# Altium PCB Archimajor.PcbDoc (part 11 of 12)
Units mm, origin at the board's own origin, x right, y up, seen from the top; angles counter-clockwise.
Board outline 190 x 140 mm, 6 copper layers (Top Layer, Top GND, Power Plane, Mid1, Bot GND, Bottom Layer), stack 1.776 mm thick; 842 components, 658 nets, 2620 pads, 2775 vias.
Unrouted connection lines stored in the file: 128.
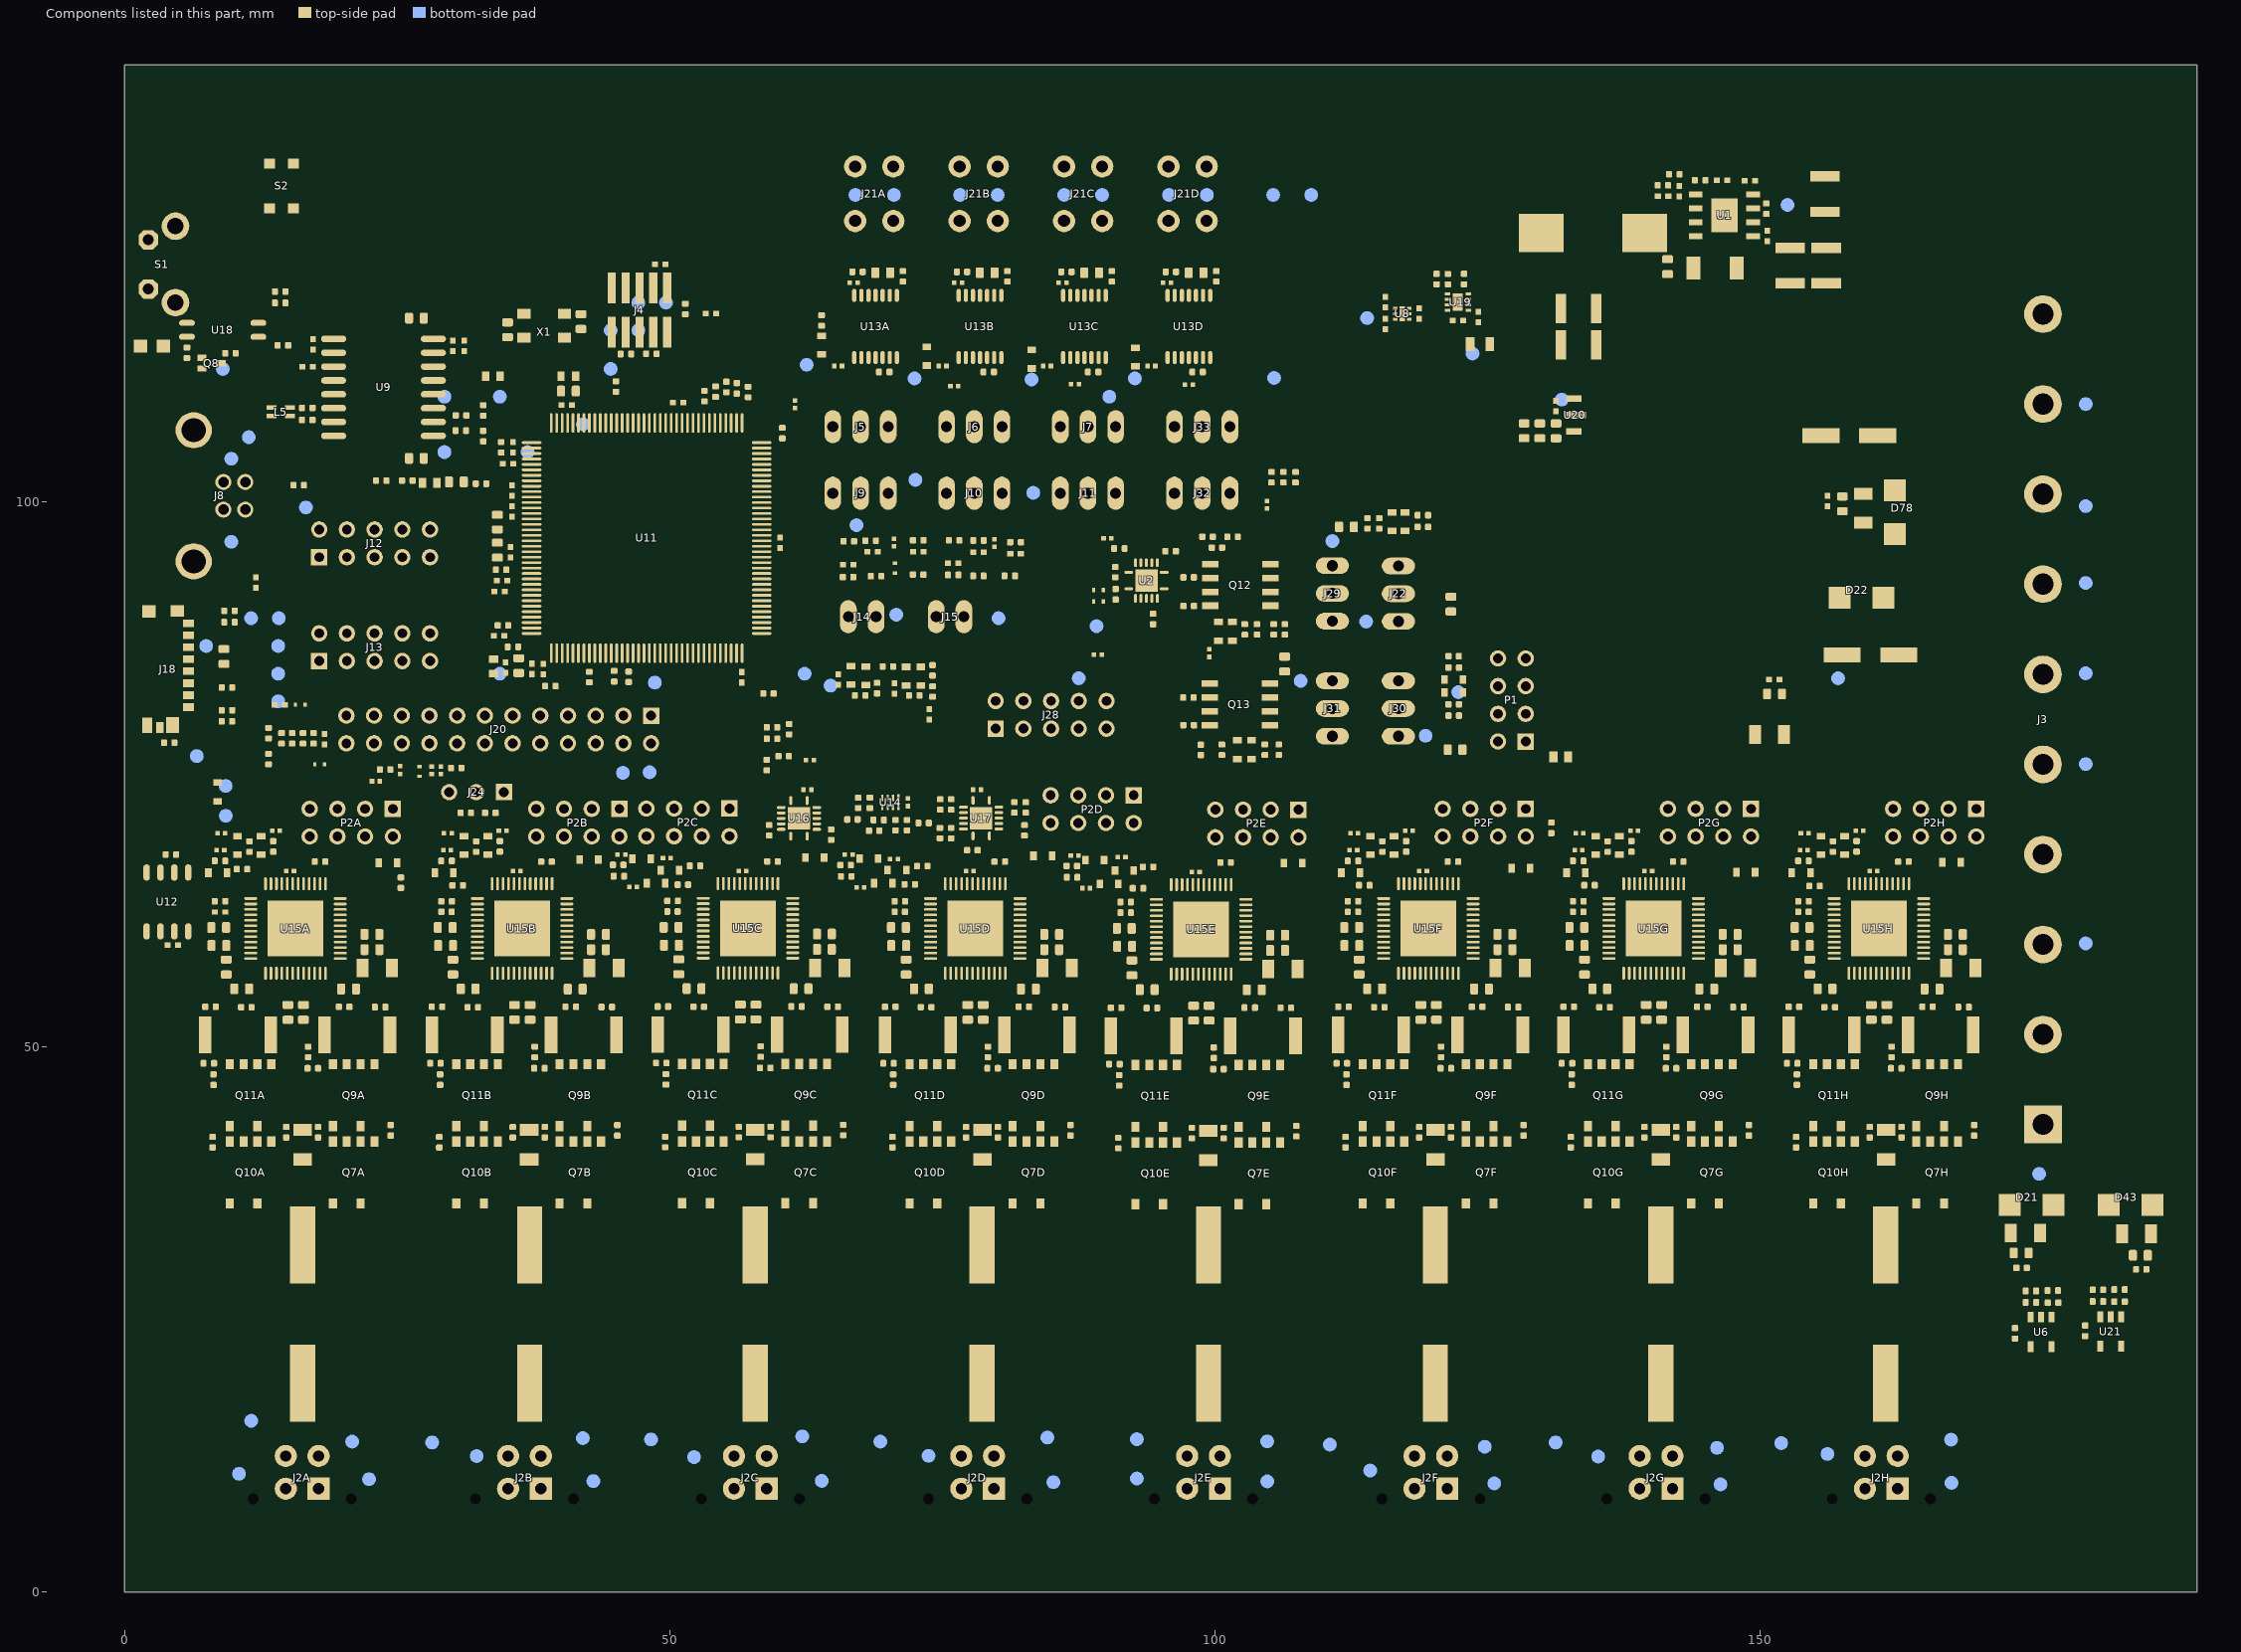
[diagram p15: the components of this part, seen from the top]

## Polygon pours and split planes (outlines as drawn) (continued)
OAAB on Top Layer "Direct Connect" (solid, remove dead copper, pour order 2450): 32.434,47.687 32.434,41.923 33.78,40.577 34.974,40.577 35.482,41.085 35.482,43.27 35.507,43.295 36.061,43.295 36.417,43.651 36.417,45.662 36.269,45.81 35.456,45.81 35.228,46.038 35.228,47.691
OABA on Top Layer "Direct Connect" (solid, remove dead copper, pour order 2449): 11.481,47.257 8.611,47.257 8.534,47.181 8.534,44.59 8.331,44.387 7.592,44.387 7.315,44.11 7.315,43.143 7.544,42.914 8.252,42.914 8.458,42.708 8.458,42.431 10.414,40.476 11.43,40.476 11.481,40.526
OABH on Top Layer "Direct Connect" (solid, remove dead copper, pour order 2448): 156.656,47.257 153.786,47.257 153.71,47.181 153.71,44.59 153.507,44.387 152.767,44.387 152.491,44.11 152.491,43.143 152.719,42.914 153.428,42.914 153.634,42.708 153.634,42.431 155.589,40.476 156.605,40.476 156.656,40.526
OABG on Top Layer "Direct Connect" (solid, remove dead copper, pour order 2447): 136.006,47.257 133.136,47.257 133.06,47.181 133.06,44.59 132.856,44.387 132.117,44.387 131.84,44.11 131.84,43.143 132.069,42.914 132.778,42.914 132.983,42.708 132.983,42.431 134.939,40.476 135.955,40.476 136.006,40.526
OABF on Top Layer "Direct Connect" (solid, remove dead copper, pour order 2446): 115.356,47.257 112.486,47.257 112.409,47.181 112.409,44.59 112.206,44.387 111.467,44.387 111.19,44.11 111.19,43.143 111.419,42.914 112.127,42.914 112.333,42.708 112.333,42.431 114.289,40.476 115.305,40.476 115.356,40.526
OABC on Top Layer "Direct Connect" (solid, remove dead copper, pour order 2445): 52.964,47.282 50.093,47.282 50.017,47.206 50.017,44.615 49.814,44.412 49.075,44.412 48.798,44.135 48.798,43.167 49.027,42.938 49.735,42.938 49.941,42.733 49.941,42.456 51.897,40.5 52.913,40.5 52.964,40.551
OABE on Top Layer "Direct Connect" (solid, remove dead copper, pour order 2444): 94.514,47.182 91.643,47.182 91.567,47.106 91.567,44.515 91.364,44.312 90.625,44.312 90.348,44.035 90.348,43.067 90.577,42.838 91.285,42.838 91.491,42.633 91.491,42.356 93.447,40.4 94.463,40.4 94.514,40.451
OABD on Top Layer "Direct Connect" (solid, remove dead copper, pour order 2443): 73.806,47.257 70.936,47.257 70.859,47.181 70.859,44.59 70.656,44.387 69.917,44.387 69.64,44.11 69.64,43.143 69.869,42.914 70.577,42.914 70.783,42.708 70.783,42.431 72.739,40.476 73.755,40.476 73.806,40.526
OABB on Top Layer "Direct Connect" (solid, remove dead copper, pour order 2442): 32.256,47.257 29.386,47.257 29.309,47.181 29.309,44.59 29.106,44.387 28.367,44.387 28.09,44.11 28.09,43.143 28.319,42.914 29.027,42.914 29.233,42.708 29.233,42.431 31.189,40.476 32.205,40.476 32.256,40.526
GND on Top Layer "Direct Connect" (solid, remove dead copper, pour order 2433): 17 vertices, not listed, extent 14.554,44.616 18.034,46.876
GND on Top Layer "Direct Connect" (solid, remove dead copper, pour order 2432): 17 vertices, not listed, extent 159.73,44.616 163.209,46.876
GND on Top Layer "Direct Connect" (solid, remove dead copper, pour order 2431): 17 vertices, not listed, extent 139.079,44.616 142.559,46.876
GND on Top Layer "Direct Connect" (solid, remove dead copper, pour order 2430): 17 vertices, not listed, extent 118.429,44.616 121.909,46.876
GND on Top Layer "Direct Connect" (solid, remove dead copper, pour order 2429): 17 vertices, not listed, extent 56.037,44.64 59.517,46.901
GND on Top Layer "Direct Connect" (solid, remove dead copper, pour order 2428): 17 vertices, not listed, extent 97.587,44.54 101.067,46.801
GND on Top Layer "Direct Connect" (solid, remove dead copper, pour order 2427): 17 vertices, not listed, extent 76.879,44.616 80.359,46.876
GND on Top Layer "Direct Connect" (solid, remove dead copper, pour order 2426): 17 vertices, not listed, extent 35.329,44.616 38.809,46.876
GND on Top Layer "Direct Connect" (solid, remove dead copper, pour order 2425): 24.869,46.318 24.869,47.918 24.615,48.172 24.234,48.172 24.057,47.994 24.057,46.394 24.133,46.318
GND on Top Layer "Direct Connect" (solid, remove dead copper, pour order 2424): 170.045,46.318 170.045,47.918 169.791,48.172 169.41,48.172 169.232,47.994 169.232,46.394 169.308,46.318
GND on Top Layer "Direct Connect" (solid, remove dead copper, pour order 2423): 149.395,46.318 149.395,47.918 149.141,48.172 148.76,48.172 148.582,47.994 148.582,46.394 148.658,46.318
GND on Top Layer "Direct Connect" (solid, remove dead copper, pour order 2422): 128.744,46.318 128.744,47.918 128.49,48.172 128.109,48.172 127.932,47.994 127.932,46.394 128.008,46.318
GND on Top Layer "Direct Connect" (solid, remove dead copper, pour order 2421): 107.902,46.242 107.902,47.842 107.648,48.096 107.267,48.096 107.089,47.918 107.089,46.318 107.166,46.242
GND on Top Layer "Endstops and Therm Top" (solid, remove dead copper, pour order 2355): 94.332,108.857 103.066,108.857 103.716,108.207 103.716,96.339 102.983,95.606 97.891,95.606 95.91,97.587 94.332,97.587 94.332,90.648 94.332,85.705 90.088,81.461 66.61,81.461 63.87,84.201 63.87,108.914
GND on Top Layer "DirectConnect" (solid, pour order 2343): 131.804,98.641 127.74,98.641 127.74,100.825 131.829,100.825 131.829,98.59
GND on Top Layer "DirectConnect" (solid, pour order 2342): 142.599,98.488 142.599,100.698 138.433,100.698 138.433,98.488 142.599,98.488
GND on Top Layer "DirectConnect" (solid, pour order 2341): 153.8,98.489 149.609,98.489 149.609,100.724 153.825,100.724 153.825,98.489
GND on Top Layer "DirectConnect" (solid, pour order 2337): 161.823,125.017 159.512,125.017 159.512,119.125 161.823,119.125
HTBD-OUT on Top Layer "DirectConnect" (solid, pour order 2331): 162.585,112.598 171.193,112.598 171.193,115.373 173.468,115.373 173.468,125.704 162.585,125.704 162.585,124.637
no net on Top Layer "DirectConnect" (solid, pour order 2330): 154.587,98.209 148.009,98.209 144.808,98.209 144.808,92.037 147.168,92.037 147.168,87.684 154.587,87.684
no net on Top Layer "DirectConnect" (solid, pour order 2329): 131.854,98.311 122.837,98.311 122.837,92.088 125.843,92.088 125.843,88.309 133.074,88.309 133.074,95.847 131.854,95.847
USB_GND on Top Layer "USB Shield" (solid, pour order 2328): 11.836,94.146 20.93,103.239 26.289,103.239 26.619,103.569 26.619,103.722 26.619,117.107 26.314,117.412 16.531,117.412 9.8,110.681 2.108,110.681 2.108,105.5 2.108,94.146
VMOTE on Top Layer "Direct Connect" (solid, remove dead copper, pour order 2708): 153.227,40.831 152.922,40.526 152.922,35.013 155.64,32.295 159.683,28.252 163.204,28.252 169.686,34.734 169.686,40.552 169.356,40.882
VMOTE on Top Layer "Direct Connect" (solid, remove dead copper, pour order 2706): 132.577,40.831 132.272,40.526 132.272,35.013 134.99,32.295 139.033,28.252 142.554,28.252 149.036,34.734 149.036,40.552 148.706,40.882
VMOTE on Top Layer "Direct Connect" (solid, remove dead copper, pour order 2704): 111.927,40.831 111.622,40.526 111.622,35.013 114.34,32.295 118.383,28.252 121.904,28.252 128.386,34.734 128.386,40.552 128.056,40.882
VMOTE on Top Layer "Direct Connect" (solid, remove dead copper, pour order 2702): 91.085,40.756 90.78,40.451 90.78,34.937 93.498,32.22 97.541,28.176 101.062,28.176 107.544,34.658 107.544,40.476 107.214,40.806
VMOTA on Top Layer "Direct Connect" (solid, remove dead copper, pour order 2700): 70.377,40.878 70.072,40.573 70.072,35.06 72.79,32.342 76.833,28.299 80.354,28.299 86.836,34.781 86.836,40.599 86.506,40.929
VMOTA on Top Layer "Direct Connect" (solid, remove dead copper, pour order 2696): 49.535,40.856 49.23,40.551 49.23,35.037 51.948,32.32 55.991,28.276 59.512,28.276 65.994,34.758 65.994,40.576 65.664,40.906
VMOTA on Top Layer "Direct Connect" (solid, remove dead copper, pour order 2694): 28.827,40.878 28.522,40.573 28.522,35.06 31.24,32.342 35.283,28.299 38.804,28.299 45.286,34.781 45.286,40.599 44.956,40.929
GND on Top Layer "Direct Connect" (solid, remove dead copper, pour order 2487): 17 vertices, not listed, extent 64.94,112.784 71.348,120.479
GND on Top Layer "Direct Connect" (solid, remove dead copper, pour order 2485): 17 vertices, not listed, extent 93.691,112.697 100.099,120.391
GND on Top Layer "Direct Connect" (solid, remove dead copper, pour order 2484): 17 vertices, not listed, extent 84.142,112.736 90.55,120.43
GND on Top Layer "Direct Connect" (solid, remove dead copper, pour order 2483): 17 vertices, not listed, extent 74.516,112.81 80.924,120.504
VMOTA on Top Layer "Direct Connect" (solid, remove dead copper, pour order 2481): 8.052,40.831 7.747,40.526 7.747,35.013 10.465,32.295 14.508,28.252 18.029,28.252 24.511,34.734 24.511,40.552 24.181,40.882
NetQ9A_1 on Top Layer "Direct Connect" (solid, remove dead copper, pour order 2420): 22.733,50.915 22.733,50.483 23.47,49.747 23.47,47.842 17.932,47.842 17.704,48.07 17.704,52.82 20.828,52.82
NetQ9H_1 on Top Layer "Direct Connect" (solid, remove dead copper, pour order 2419): 167.908,50.915 167.908,50.483 168.645,49.747 168.645,47.842 163.108,47.842 162.879,48.07 162.879,52.82 166.003,52.82
NetQ9G_1 on Top Layer "Direct Connect" (solid, remove dead copper, pour order 2418): 147.258,50.915 147.258,50.483 147.995,49.747 147.995,47.842 142.458,47.842 142.229,48.07 142.229,52.82 145.353,52.82
NetQ9F_1 on Top Layer "Direct Connect" (solid, remove dead copper, pour order 2417): 126.608,50.915 126.608,50.483 127.345,49.747 127.345,47.842 121.807,47.842 121.579,48.07 121.579,52.82 124.703,52.82
NetQ9E_1 on Top Layer "Direct Connect" (solid, remove dead copper, pour order 2416): 105.766,50.839 105.766,50.408 106.502,49.671 106.502,47.766 100.965,47.766 100.737,47.995 100.737,52.744 103.861,52.744
NetQ9C_1 on Top Layer "Direct Connect" (solid, remove dead copper, pour order 2415): 64.216,50.939 64.216,50.508 64.952,49.771 64.952,47.866 59.415,47.866 59.187,48.095 59.187,52.844 62.311,52.844
NetQ9D_1 on Top Layer "Direct Connect" (solid, remove dead copper, pour order 2414): 85.058,50.915 85.058,50.483 85.795,49.747 85.795,47.842 80.257,47.842 80.029,48.07 80.029,52.82 83.153,52.82
NetQ9B_1 on Top Layer "Direct Connect" (solid, remove dead copper, pour order 2413): 43.508,50.915 43.508,50.483 44.245,49.747 44.245,47.842 38.707,47.842 38.479,48.07 38.479,52.82 41.603,52.82
NetQ11A_1 on Top Layer "Direct Connect" (solid, remove dead copper, pour order 2412): 10.287,47.842 13.818,47.842 14.046,48.07 14.046,52.82 10.922,52.82 10.287,52.185
NetQ11H_1 on Top Layer "Direct Connect" (solid, remove dead copper, pour order 2411): 155.462,47.842 158.993,47.842 159.222,48.07 159.222,52.82 156.097,52.82 155.462,52.185
NetQ11G_1 on Top Layer "Direct Connect" (solid, remove dead copper, pour order 2410): 134.812,47.842 138.343,47.842 138.571,48.07 138.571,52.82 135.447,52.82 134.812,52.185
NetQ11F_1 on Top Layer "Direct Connect" (solid, remove dead copper, pour order 2409): 114.162,47.842 117.693,47.842 117.921,48.07 117.921,52.82 114.797,52.82 114.162,52.185
NetQ11C_1 on Top Layer "Direct Connect" (solid, remove dead copper, pour order 2408): 51.77,47.866 55.3,47.866 55.529,48.095 55.529,52.844 52.405,52.844 51.77,52.209
NetQ11E_1 on Top Layer "Direct Connect" (solid, remove dead copper, pour order 2407): 93.32,47.766 96.85,47.766 97.079,47.995 97.079,52.744 93.955,52.744 93.32,52.109
NetQ11D_1 on Top Layer "Direct Connect" (solid, remove dead copper, pour order 2406): 72.612,47.842 76.143,47.842 76.371,48.07 76.371,52.82 73.247,52.82 72.612,52.185
NetQ11B_1 on Top Layer "Direct Connect" (solid, remove dead copper, pour order 2405): 31.062,47.842 34.593,47.842 34.821,48.07 34.821,52.82 31.697,52.82 31.062,52.185
GND on Top Layer "uC Top Under Part" (solid, pour order 2354): 38.741,87.491 57.024,87.497 57.024,105.778 38.741,105.781
GND on Top Layer "12MHz XTAL GND" (solid, pour order 2349): 33.573,118.806 33.573,113.439 36.021,113.439 43.342,113.439 43.342,115.864 43.342,118.784 33.573,118.784
GND on Top Layer "FlashGND" (solid, remove dead copper, pour order 2327): 0.806,65.471 6.281,65.471 6.281,58.546 0.806,58.546
GND on Top Layer "DirectConnect" (solid, remove dead copper, pour order 2690): 61.695,116.389 61.695,135.019 20.961,135.019 20.961,123.62 54.404,123.62 54.404,120.53 58.544,116.389
GND on Top Layer "DirectConnect" (solid, remove dead copper, pour order 2670): 153.484,104.66 153.9,104.244 157.149,104.244 157.604,104.7 157.604,107.434 157.228,107.81 153.9,107.81 153.484,107.394
VMOTE on Top Layer "DirectConnect" (solid, remove dead copper, pour order 2668): 171.334,43.62 174.128,46.413 180.289,46.413 180.784,45.918 180.784,41.381 177.258,37.854 175.138,37.854 173.692,36.408 172.028,36.408 171.334,37.101
VMOTA on Top Layer "DirectConnect" (solid, remove dead copper, pour order 2666): 17 vertices, not listed, extent 171.671,29.177 187.461,64.244
GND on Top Layer "DirectConnect" (solid, remove dead copper, pour order 2664): 155.623,99.549 155.881,99.806 164.44,99.806 166.896,102.263 170.779,102.263 172.582,104.066 172.82,103.828 172.82,98.677 173.414,98.083 173.414,97.845 172.701,97.132 164.241,97.132 162.815,95.705 159.031,95.705 155.623,99.113
VPWR_IN on Top Layer "DirectConnect" (solid, remove dead copper, pour order 2658): 127.638,105.245 128.171,104.711 131.448,104.711 131.931,105.194 131.931,106.185 131.753,106.362 127.74,106.362 127.638,106.261
GND on Top Layer "DirectConnect" (solid, remove dead copper, pour order 2654): 172.463,98.096 172.86,97.7 179.457,97.7 180.091,98.334 180.091,103.782 179.398,104.476 172.84,104.476 172.463,104.099
GND on Top Layer "DirectConnect" (solid, remove dead copper, pour order 2650): 172.463,48.546 172.86,48.15 179.457,48.15 180.091,48.784 180.091,54.232 179.398,54.926 172.84,54.926 172.463,54.549
GND on Top Layer "DirectConnect" (solid, remove dead copper, pour order 2648): 172.463,65.056 172.86,64.66 179.457,64.66 180.091,65.294 180.091,70.742 179.398,71.436 172.84,71.436 172.463,71.059
GND on Top Layer "DirectConnect" (solid, remove dead copper, pour order 2632): 18 vertices, not listed, extent 160.125,80.193 181.3,90.775
GND on Top Layer "DirectConnect" (solid, remove dead copper, pour order 2628): 96.719,93.503 98.701,93.503 99.235,94.038 99.235,94.335 98.601,94.969 97.512,94.969 96.719,94.176
GND on Top Layer "DirectConnect" (solid, remove dead copper, pour order 2626): 96.719,90.963 98.701,90.963 99.235,91.498 99.235,91.795 98.601,92.429 97.512,92.429 96.719,91.636
GND on Top Layer "DirectConnect" (solid, remove dead copper, pour order 2624): 96.657,82.552 98.638,82.552 99.173,83.086 99.173,83.384 98.539,84.018 97.449,84.018 96.657,83.225
GND on Top Layer "DirectConnect" (solid, remove dead copper, pour order 2622): 96.657,81.488 98.638,81.488 99.173,80.954 99.173,80.656 98.539,80.022 97.449,80.022 96.657,80.815
GND on Top Layer "Direct Connect" (solid, remove dead copper, pour order 2364): 1.803,92.749 5.08,92.749 6.604,91.225 6.604,90.285 5.65,89.331 1.803,89.331
VMOTA on Top Layer "DirectConnect" (solid, remove dead copper, pour order 2618): 183.136,37.466 184.721,35.881 184.721,29.462 184.543,29.284 183.314,29.284 180.184,32.414 180.184,37.466
VMOTE on Top Layer "DirectConnect" (solid, remove dead copper, pour order 2620): 173.27,37.744 173.904,37.11 173.904,29.403 172.616,29.403 171.328,30.691 171.328,37.744
GND on Top Layer "DirectConnect" (solid, remove dead copper, pour order 2614): 187.911,37.565 187.911,30.334 186.801,29.224 185.216,29.224 184.939,29.502 184.939,36.218 186.286,37.565
GND on Top Layer "DirectConnect" (solid, remove dead copper, pour order 2616): 177.965,37.347 177.965,31.84 175.449,29.323 174.339,29.323 174.201,29.462 174.201,35.921 175.627,37.347
VPWR_IN on Top Layer "Solid" (solid, pour order 2360): 151.354,122.822 151.354,124.573 150.129,124.573 150.129,125.323 148.704,125.323 148.704,125.873 157.379,125.873 157.379,122.822
GND on Top Layer "DirectConnect" (solid, remove dead copper, pour order 2612): 127.994,106.667 131.524,106.667 131.778,106.921 131.778,108.369 131.626,108.521 128.552,108.521 127.994,107.963
GND on Top Layer "Solid" (solid, pour order 2359): 134.509,120.173 145.054,120.173 145.054,127.798 148.329,127.798 148.329,122.923 157.379,122.923 157.379,119.653 154.69,117.278 136.679,117.278 136.679,112.998 134.48,112.998
VFAN on Top Layer "24milConnect" (solid, remove dead copper, pour order 2607): 131.093,77.009 130.743,77.009 130.193,77.559 130.193,81.259 129.518,81.934 127.368,81.934 126.968,81.534 126.968,77.584 126.343,76.959 126.343,76.259 126.493,76.109 130.793,76.109 131.093,76.409
VPWR_IN on Top Layer "Direct Connect" (solid, remove dead copper, pour order 2606): 137.718,75.409 138.093,75.784 138.093,77.834 137.493,78.434 130.943,78.434 130.668,78.159 130.668,77.534 130.843,77.359 131.543,77.359 131.743,77.159 131.743,75.609 131.943,75.409
NetC3_2 on Top Layer "DirectConnect" (solid, remove dead copper, pour order 2598): 125.352,113.932 126.249,113.034 131.593,113.034 131.593,115.409 131.268,115.734 130.768,115.734 130.443,115.409 125.839,115.409 125.352,114.922
no net on Top Layer "Direct Connect" (solid, remove dead copper, pour order 2595): 100.656,92.211 100.656,89.786 109.219,89.786 109.481,90.047 109.481,90.572 107.842,92.211
no net on Top Layer "Direct Connect" (solid, remove dead copper, pour order 2596): 100.681,94.873 108.692,94.873 109.393,94.172 109.393,93.759 108.082,92.448 100.681,92.448
GND on Top Layer "Direct Connect" (solid, remove dead copper, pour order 2594): 86.722,53.353 86.722,54.205 86.811,54.293 87.344,54.293 87.395,54.242 87.395,53.353 87.395,48.858 87.192,48.654 86.658,48.654 86.01,49.302 86.027,50.022 85.541,50.509 85.541,52.479
GND on Top Layer "Direct Connect" (solid, remove dead copper, pour order 2593): 65.88,53.378 65.88,54.229 65.968,54.318 66.502,54.318 66.553,54.267 66.553,53.378 66.553,48.882 66.349,48.679 65.816,48.679 65.168,49.326 65.185,50.046 64.698,50.533 64.698,52.503
GND on Top Layer "Direct Connect" (solid, remove dead copper, pour order 2592): 45.172,53.353 45.172,54.205 45.261,54.293 45.794,54.293 45.845,54.242 45.845,53.353 45.845,48.858 45.642,48.654 45.108,48.654 44.46,49.302 44.477,50.022 43.991,50.509 43.991,52.479
GND on Top Layer "Direct Connect" (solid, remove dead copper, pour order 2591): 45.172,53.353 45.172,54.205 45.261,54.293 45.794,54.293 45.845,54.242 45.845,53.353 45.845,48.858 45.642,48.654 45.108,48.654 44.46,49.302 44.477,50.022 43.991,50.509 43.991,52.479
GND on Top Layer "Direct Connect" (solid, remove dead copper, pour order 2588): 65.88,53.378 65.88,54.229 65.968,54.318 66.502,54.318 66.553,54.267 66.553,53.378 66.553,48.882 66.349,48.679 65.816,48.679 65.168,49.326 65.185,50.046 64.698,50.533 64.698,52.503
GND on Top Layer "Direct Connect" (solid, remove dead copper, pour order 2437): 56.926,43.37 56.926,41.364 57.155,41.134 58.424,41.134 58.729,41.44 58.729,43.37 57.942,44.158 57.713,44.158
GND on Top Layer "Direct Connect" (solid, remove dead copper, pour order 2434): 36.218,43.346 36.218,41.339 36.447,41.11 37.716,41.11 38.022,41.415 38.022,43.346 37.234,44.133 37.006,44.133
no net on Top Layer "Direct Connect" (solid, remove dead copper, pour order 2590): 100.618,83.922 100.618,81.497 107.905,81.497 109.468,83.059 109.468,83.922
no net on Top Layer "Direct Connect" (solid, remove dead copper, pour order 2589): 100.593,81.259 100.593,78.834 108.718,78.834 109.418,79.534 109.418,80.084 108.243,81.259
GND on Top Layer "Direct Connect" (solid, remove dead copper, pour order 2587): 86.722,53.353 86.722,54.205 86.811,54.293 87.344,54.293 87.395,54.242 87.395,53.353 87.395,48.858 87.192,48.654 86.658,48.654 86.01,49.302 86.027,50.022 85.541,50.509 85.541,52.479
GND on Top Layer "Direct Connect" (solid, remove dead copper, pour order 2404): 6.858,53.709 6.858,53.15 8.915,52.21 8.915,49.721 8.585,49.391 6.198,49.391 5.944,49.645 5.944,53.379 6.274,53.709
GND on Top Layer "Direct Connect" (solid, remove dead copper, pour order 2403): 152.033,53.709 152.033,53.15 154.091,52.21 154.091,49.721 153.761,49.391 151.373,49.391 151.119,49.645 151.119,53.379 151.449,53.709
GND on Top Layer "Direct Connect" (solid, remove dead copper, pour order 2402): 131.383,53.709 131.383,53.15 133.441,52.21 133.441,49.721 133.11,49.391 130.723,49.391 130.469,49.645 130.469,53.379 130.799,53.709
GND on Top Layer "Direct Connect" (solid, remove dead copper, pour order 2401): 110.733,53.709 110.733,53.15 112.79,52.21 112.79,49.721 112.46,49.391 110.073,49.391 109.819,49.645 109.819,53.379 110.149,53.709
GND on Top Layer "Direct Connect" (solid, remove dead copper, pour order 2400): 48.341,53.733 48.341,53.175 50.398,52.235 50.398,49.746 50.068,49.415 47.68,49.415 47.426,49.669 47.426,53.403 47.757,53.733
GND on Top Layer "Direct Connect" (solid, remove dead copper, pour order 2399): 69.183,53.709 69.183,53.15 71.24,52.21 71.24,49.721 70.91,49.391 68.523,49.391 68.269,49.645 68.269,53.379 68.599,53.709
GND on Top Layer "Direct Connect" (solid, remove dead copper, pour order 2398): 89.891,53.633 89.891,53.075 91.948,52.135 91.948,49.646 91.618,49.315 89.23,49.315 88.976,49.569 88.976,53.303 89.307,53.633
GND on Top Layer "Direct Connect" (solid, remove dead copper, pour order 2397): 27.633,53.709 27.633,53.15 29.69,52.21 29.69,49.721 29.36,49.391 26.973,49.391 26.719,49.645 26.719,53.379 27.049,53.709
GND on Top Layer "Direct Connect" (solid, remove dead copper, pour order 2396): 24.397,53.353 24.397,54.205 24.486,54.293 25.019,54.293 25.07,54.242 25.07,53.353 25.07,48.858 24.867,48.654 24.333,48.654 23.685,49.302 23.702,50.022 23.216,50.509 23.216,52.479
GND on Top Layer "Direct Connect" (solid, remove dead copper, pour order 2395): 169.572,53.353 169.572,54.205 169.661,54.293 170.194,54.293 170.245,54.242 170.245,53.353 170.245,48.858 170.042,48.654 169.509,48.654 168.861,49.302 168.878,50.022 168.391,50.509 168.391,52.479
GND on Top Layer "Direct Connect" (solid, remove dead copper, pour order 2394): 148.922,53.353 148.922,54.205 149.011,54.293 149.544,54.293 149.595,54.242 149.595,53.353 149.595,48.858 149.392,48.654 148.858,48.654 148.211,49.302 148.227,50.022 147.741,50.509 147.741,52.479
GND on Top Layer "Direct Connect" (solid, remove dead copper, pour order 2393): 128.272,53.353 128.272,54.205 128.361,54.293 128.894,54.293 128.945,54.242 128.945,53.353 128.945,48.858 128.742,48.654 128.208,48.654 127.56,49.302 127.577,50.022 127.091,50.509 127.091,52.479
GND on Top Layer "Direct Connect" (solid, remove dead copper, pour order 2392): 107.43,53.278 107.43,54.129 107.518,54.218 108.052,54.218 108.103,54.167 108.103,53.278 108.103,48.782 107.899,48.579 107.366,48.579 106.718,49.226 106.735,49.946 106.248,50.433 106.248,52.404
VMOTA on Top Layer "Direct Connect" (solid, remove dead copper, pour order 2386): 49.712,57.721 51.033,57.721 51.287,57.975 51.287,58.712 52.03,59.455 52.03,59.677 50.652,59.677 50.271,59.296 50.271,58.991 49.712,58.432
VMOTE on Top Layer "Direct Connect" (solid, remove dead copper, pour order 2385): 91.262,57.621 92.583,57.621 92.837,57.875 92.837,58.612 93.58,59.355 93.58,59.577 92.202,59.577 91.821,59.196 91.821,58.891 91.262,58.332
GND on Top Layer "Direct Connect" (solid, remove dead copper, pour order 2436): 98.476,43.27 98.476,41.264 98.705,41.034 99.974,41.034 100.279,41.34 100.279,43.27 99.492,44.058 99.263,44.058
GND on Top Layer "Direct Connect" (solid, remove dead copper, pour order 2441): 15.443,43.346 15.443,41.339 15.672,41.11 16.941,41.11 17.247,41.415 17.247,43.346 16.459,44.133 16.231,44.133
VMOTA on Top Layer "Direct Connect" (solid, remove dead copper, pour order 2390): 8.23,57.697 9.55,57.697 9.804,57.951 9.804,58.687 10.547,59.43 10.547,59.653 9.169,59.653 8.788,59.272 8.788,58.967 8.23,58.408
VMOTE on Top Layer "Direct Connect" (solid, remove dead copper, pour order 2389): 153.405,57.697 154.726,57.697 154.98,57.951 154.98,58.687 155.723,59.43 155.723,59.653 154.345,59.653 153.964,59.272 153.964,58.967 153.405,58.408
GND on Top Layer "Direct Connect" (solid, remove dead copper, pour order 2440): 160.619,43.346 160.619,41.339 160.848,41.11 162.117,41.11 162.422,41.415 162.422,43.346 161.635,44.133 161.406,44.133
VMOTE on Top Layer "Direct Connect" (solid, remove dead copper, pour order 2388): 132.755,57.697 134.076,57.697 134.33,57.951 134.33,58.687 135.073,59.43 135.073,59.653 133.695,59.653 133.314,59.272 133.314,58.967 132.755,58.408
GND on Top Layer "Direct Connect" (solid, remove dead copper, pour order 2439): 139.968,43.346 139.968,41.339 140.198,41.11 141.466,41.11 141.772,41.415 141.772,43.346 140.984,44.133 140.756,44.133
VMOTE on Top Layer "Direct Connect" (solid, remove dead copper, pour order 2387): 112.105,57.697 113.425,57.697 113.679,57.951 113.679,58.687 114.422,59.43 114.422,59.653 113.044,59.653 112.663,59.272 112.663,58.967 112.105,58.408
GND on Top Layer "Direct Connect" (solid, remove dead copper, pour order 2438): 119.318,43.346 119.318,41.339 119.547,41.11 120.816,41.11 121.122,41.415 121.122,43.346 120.334,44.133 120.106,44.133
GND on Top Layer "Direct Connect" (solid, remove dead copper, pour order 2435): 77.768,43.346 77.768,41.339 77.997,41.11 79.266,41.11 79.572,41.415 79.572,43.346 78.784,44.133 78.556,44.133
VMOTA on Top Layer "Direct Connect" (solid, remove dead copper, pour order 2384): 70.555,57.697 71.875,57.697 72.129,57.951 72.129,58.687 72.872,59.43 72.872,59.653 71.494,59.653 71.113,59.272 71.113,58.967 70.555,58.408
VMOTA on Top Layer "Direct Connect" (solid, remove dead copper, pour order 2383): 29.005,57.697 30.325,57.697 30.579,57.951 30.579,58.687 31.322,59.43 31.322,59.653 29.944,59.653 29.563,59.272 29.563,58.967 29.005,58.408
NetC3_2 on Top Layer "Solid" (solid, pour order 2358): 132.729,112.998 132.729,126.373 127.829,126.373 127.829,122.873 128.579,122.123 128.579,119.76 130.679,117.66 130.679,112.998
NetC1_2 on Top Layer "Solid" (solid, pour order 2357): 141.631,122.285 141.379,122.285 141.186,122.478 141.186,126.372 141.405,126.372 143.179,124.598 144.679,124.598 144.679,120.523 144.479,120.323 143.035,120.323
GND on Top Layer "Direct Connect" (solid, remove dead copper, pour order 2365): 3.925,80.938 3.925,79.121 4.521,78.525 6.452,78.525 6.604,78.677 6.604,78.931 4.597,80.938
GND on Top Layer "Direct Connect" (solid, remove dead copper, pour order 2366): 1.981,76.62 2.286,76.315 2.667,76.315 2.946,76.594 2.946,79.806 1.981,79.806
no net on Top Overlay "Logo" (solid): 17 vertices, not listed, extent 20.374,131.781 22.942,134.356
VBED_IN on Bottom Layer "DirectConnect" (solid, remove dead copper, pour order 2662): 19 vertices, not listed, extent 155.584,100.123 180.289,112.724
no net on Bottom Layer "NetF1_1 Fuse Top Pour" (solid, remove dead copper, pour order 2644): 162.855,93.645 162.855,90.257 163.984,89.128 180.309,89.128 181.577,90.396 181.577,95.725 180.765,96.537 164.241,96.537 162.874,95.17
VPWR_IN on Bottom Layer "DirectConnect" (solid, remove dead copper, pour order 2638): 159.249,74.289 163.627,78.667 163.627,83.58 161.527,83.58 160.002,85.106 160.002,87.008 159.189,87.82 155.92,87.82 154.811,86.711 154.811,84.987 154.613,84.789 152.235,84.789 151.621,84.175 151.621,76.389 153.721,74.289
no net on Bottom Layer "DirectConnect" (solid, remove dead copper, pour order 2636): 166.797,80.747 168.243,82.194 172.285,82.194 174.781,79.697 179.061,79.697 180.071,78.687 180.071,72.981 178.883,71.792 173.078,71.792 170.819,74.051 167.312,74.051 166.797,74.566
no net on Bottom Layer "DirectConnect" (solid, remove dead copper, pour order 2605): 136.318,86.934 138.868,84.384 138.868,83.109 140.618,83.109 140.618,84.534 143.437,87.353 143.437,91.559 137.668,91.559 136.318,90.209
no net on Bottom Layer "DirectConnect" (solid, remove dead copper, pour order 2603): 144.843,88.733 144.843,88.259 142.368,85.784 142.368,82.709 147.118,82.709 153.168,88.759
no net on Bottom Layer "Direct Connect" (solid, remove dead copper, pour order 2602): 133.042,89.81 137.543,85.309 137.543,82.434 131.118,82.434 130.493,83.06 130.493,86.909 127.595,89.807
no net on Bottom Layer "DirectConnect" (solid, pour order 2335): 122.837,98.438 122.837,87.934 133.074,87.934 133.074,98.438
no net on Bottom Layer "DirectConnect" (solid, pour order 2334): 133.582,98.336 133.582,89.446 143.437,89.446 143.437,98.311 143.437,98.336
no net on Bottom Layer "DirectConnect" (solid, pour order 2333): 154.587,98.336 149.355,98.336 147.958,99.733 144.783,99.733 144.783,88.109 154.587,88.109
HTBD-OUT on Bottom Layer "DirectConnect" (solid, pour order 2332): 162.128,111.835 171.976,111.835 171.99,111.85 173.755,113.615 178.803,113.615 179.814,114.626 179.814,121.283 175.367,125.729 162.662,125.729 162.585,125.653 162.128,125.196
no net on Bottom Layer "DirectConnect" (solid, pour order 2326): 109.875,108.143 109.875,105.884 112.134,105.884 112.134,108.143
GND on Bottom Layer "Direct Connect" (solid, remove dead copper, pour order 2578): 108.758,53.1 108.758,66.52 108.543,66.734 89.158,66.734 88.558,66.134 88.558,53.1
VFAN on Bottom Layer "24milConnect" (solid, remove dead copper, pour order 2597): 129.374,76.115 130.118,76.859 130.118,81.034 129.418,81.734 123.193,81.734 121.618,83.309 121.618,93.959 119.643,95.934 109.818,95.934 108.243,94.359 108.243,78.209 110.363,76.089
GND on Bottom Layer "Direct Connect" (solid, remove dead copper, pour order 2584): 25.725,53.1 25.725,65.535 24.45,66.81 6.125,66.81 5.525,66.21 5.525,53.1
GND on Bottom Layer "Direct Connect" (solid, remove dead copper, pour order 2583): 46.5,53.1 46.5,65.535 45.225,66.81 26.9,66.81 26.3,66.21 26.3,53.1
GND on Bottom Layer "Direct Connect" (solid, remove dead copper, pour order 2582): 170.9,53.1 170.9,65.535 169.625,66.81 151.3,66.81 150.7,66.21 150.7,53.1
GND on Bottom Layer "Direct Connect" (solid, remove dead copper, pour order 2581): 150.25,53.1 150.25,65.535 148.975,66.81 130.65,66.81 130.05,66.21 130.05,53.1
GND on Bottom Layer "Direct Connect" (solid, remove dead copper, pour order 2580): 129.6,53.1 129.6,65.535 128.325,66.81 110,66.81 109.4,66.21 109.4,53.1
GND on Bottom Layer "Direct Connect" (solid, remove dead copper, pour order 2579): 88.05,53.1 88.05,65.927 86.493,67.484 69.124,67.484 67.85,66.21 67.85,53.1
GND on Bottom Layer "Direct Connect" (solid, remove dead copper, pour order 2577): 67.208,53.1 67.208,63.695 64.069,66.834 47.608,66.834 47.008,66.234 47.008,53.1
VMOTA on Bottom Layer "Direct Connect" (solid, remove dead copper, pour order 2585): 30 vertices, not listed, extent 5.475,14.76 187.5,64.26
OBBH on Bottom Layer "Direct Connect" (solid, remove dead copper, pour order 2567): 166.087,52.113 165.55,52.65 162.158,52.65 161.576,52.068 161.576,40.709 161.8,40.485 165.8,40.485 166.087,40.771
OAAH on Bottom Layer "Direct Connect" (solid, remove dead copper, pour order 2559): 156.84,52.065 157.425,52.65 160.9,52.65 161.35,52.2 161.35,40.785 161.05,40.485 157.075,40.485 156.84,40.72
VMOTE on Bottom Layer "Direct Connect" (solid, remove dead copper, pour order 2586): 177.5,38.037 180.765,41.302 180.765,45.938 180.301,46.401 176.737,46.401 174.102,46.401 168.51,40.81 91.925,40.81 90.555,39.44 90.555,33.335 94.255,29.635 170.9,29.635 177.5,36.235
GND on Bottom Layer "DirectConnect" (solid, remove dead copper, pour order 2656): 172.246,98.413 172.959,97.7 179.18,97.7 180.091,98.611 180.091,103.366 179.14,104.317 173.236,104.317 172.246,103.327
GND on Bottom Layer "DirectConnect" (solid, remove dead copper, pour order 2652): 172.246,48.863 172.959,48.15 179.18,48.15 180.091,49.061 180.091,53.816 179.14,54.767 173.236,54.767 172.246,53.777
GND on Bottom Layer "DirectConnect" (solid, remove dead copper, pour order 2646): 172.246,65.373 172.959,64.66 179.18,64.66 180.091,65.571 180.091,70.326 179.14,71.277 173.236,71.277 172.246,70.287
GND on Bottom Layer "DirectConnect" (solid, remove dead copper, pour order 2640): 160.299,82.451 172.761,82.451 175.019,80.193 178.843,80.193 181.3,82.649 181.3,87.919 180.705,88.514 172.84,88.514 160.299,88.514
OBAC on Bottom Layer "Direct Connect" (solid, remove dead copper, pour order 2572): 62.609,52.181 63.077,52.65 66.85,52.65 67.333,52.167 67.333,40.834 67.008,40.509 62.908,40.509 62.609,40.808
OBAB on Bottom Layer "Direct Connect" (solid, remove dead copper, pour order 2569): 41.901,52.247 42.304,52.65 46.3,52.65 46.625,52.325 46.625,40.81 46.3,40.485 42.2,40.485 41.901,40.784
OBBC on Bottom Layer "Direct Connect" (solid, remove dead copper, pour order 2564): 62.394,52.199 61.943,52.65 58.35,52.65 57.884,52.184 57.884,40.733 58.108,40.509 62.108,40.509 62.394,40.796
OBBB on Bottom Layer "Direct Connect" (solid, remove dead copper, pour order 2561): 41.686,52.264 41.301,52.65 37.675,52.65 37.176,52.151 37.176,40.709 37.4,40.485 41.4,40.485 41.686,40.771
OAAC on Bottom Layer "Direct Connect" (solid, remove dead copper, pour order 2556): 53.148,52.273 53.525,52.65 57.287,52.65 57.658,52.279 57.658,40.809 57.358,40.509 53.383,40.509 53.148,40.745
OAAB on Bottom Layer "Direct Connect" (solid, remove dead copper, pour order 2553): 32.44,52.19 32.9,52.65 36.4,52.65 36.95,52.1 36.95,40.785 36.65,40.485 32.675,40.485 32.44,40.72
OABC on Bottom Layer "Direct Connect" (solid, remove dead copper, pour order 2548): 52.933,52.217 52.5,52.65 47.3,52.65 46.783,52.133 46.783,40.659 46.933,40.509 52.708,40.509 52.933,40.734
OABB on Bottom Layer "Direct Connect" (solid, remove dead copper, pour order 2545): 32.225,52.1 31.675,52.65 26.5,52.65 26.075,52.225 26.075,40.635 26.225,40.485 32,40.485 32.225,40.71
OAAE on Bottom Layer "Direct Connect" (solid, remove dead copper, pour order 2555): 94.698,52.323 95.025,52.65 98.975,52.65 99.208,52.417 99.208,40.709 98.908,40.409 94.933,40.409 94.698,40.645
OBAE on Bottom Layer "Direct Connect" (solid, remove dead copper, pour order 2571): 104.159,52.284 104.525,52.65 108.5,52.65 108.883,52.267 108.883,40.734 108.558,40.409 104.458,40.409 104.159,40.708
OBAD on Bottom Layer "Direct Connect" (solid, remove dead copper, pour order 2570): 83.451,52.254 83.847,52.65 87.625,52.65 88.175,52.1 88.175,40.81 87.85,40.485 83.75,40.485 83.451,40.784
OBBE on Bottom Layer "Direct Connect" (solid, remove dead copper, pour order 2563): 103.944,52.281 103.575,52.65 99.831,52.65 99.434,52.253 99.434,40.633 99.658,40.409 103.658,40.409 103.944,40.696
OABE on Bottom Layer "Direct Connect" (solid, remove dead copper, pour order 2547): 94.483,52.267 94.1,52.65 88.825,52.65 88.333,52.158 88.333,40.559 88.483,40.409 94.258,40.409 94.483,40.634
OABD on Bottom Layer "Direct Connect" (solid, remove dead copper, pour order 2546): 73.775,51.925 73.05,52.65 68.091,52.65 67.625,52.184 67.625,40.635 67.775,40.485 73.55,40.485 73.775,40.71
OBAA on Bottom Layer "Direct Connect" (solid, remove dead copper, pour order 2576): 21.126,52.326 21.45,52.65 25.45,52.65 25.85,52.25 25.85,40.81 25.525,40.485 21.425,40.485 21.126,40.784
OABA on Bottom Layer "Direct Connect" (solid, remove dead copper, pour order 2552): 11.45,52.1 10.9,52.65 6.525,52.65 5.3,51.425 5.3,40.635 5.45,40.485 11.225,40.485 11.45,40.71
OBBA on Bottom Layer "Direct Connect" (solid, remove dead copper, pour order 2568): 20.911,52.214 20.475,52.65 16.95,52.65 16.401,52.101 16.401,40.709 16.625,40.485 20.625,40.485 20.911,40.771
OAAA on Bottom Layer "Direct Connect" (solid, remove dead copper, pour order 2560): 11.665,52.14 12.175,52.65 15.85,52.65 16.175,52.325 16.175,40.785 15.875,40.485 11.9,40.485 11.665,40.72
OABH on Bottom Layer "Direct Connect" (solid, remove dead copper, pour order 2551): 156.625,52.175 156.15,52.65 151.025,52.65 150.475,52.1 150.475,40.635 150.625,40.485 156.4,40.485 156.625,40.71
OBAH on Bottom Layer "Direct Connect" (solid, remove dead copper, pour order 2575): 171.025,44.025 171.675,44.675 171.675,52 171.025,52.65 166.805,52.65 166.301,52.146 166.301,40.784 166.6,40.485 168.832,40.485 171.025,42.678
OAAG on Bottom Layer "Direct Connect" (solid, remove dead copper, pour order 2558): 136.19,52.227 136.613,52.65 140.2,52.65 140.7,52.15 140.7,40.785 140.4,40.485 136.425,40.485 136.19,40.72
OBBG on Bottom Layer "Direct Connect" (solid, remove dead copper, pour order 2566): 145.436,52.139 144.925,52.65 141.431,52.65 140.926,52.145 140.926,40.709 141.15,40.485 145.15,40.485 145.436,40.771
OABG on Bottom Layer "Direct Connect" (solid, remove dead copper, pour order 2550): 135.975,52.125 135.45,52.65 130.5,52.65 129.825,51.975 129.825,40.635 129.975,40.485 135.75,40.485 135.975,40.71
OBAG on Bottom Layer "Direct Connect" (solid, remove dead copper, pour order 2574): 145.651,51.941 146.36,52.65 149.825,52.65 150.375,52.1 150.375,40.81 150.05,40.485 145.95,40.485 145.651,40.784
OAAF on Bottom Layer "Direct Connect" (solid, remove dead copper, pour order 2557): 115.54,52.165 116.025,52.65 119.5,52.65 120.05,52.1 120.05,40.785 119.75,40.485 115.775,40.485 115.54,40.72
OBBF on Bottom Layer "Direct Connect" (solid, remove dead copper, pour order 2565): 124.786,52.089 124.225,52.65 120.824,52.65 120.276,52.102 120.276,40.709 120.5,40.485 124.5,40.485 124.786,40.771
OABF on Bottom Layer "Direct Connect" (solid, remove dead copper, pour order 2549): 115.325,52.075 114.75,52.65 109.7,52.65 109.175,52.125 109.175,40.635 109.325,40.485 115.1,40.485 115.325,40.71
OBAF on Bottom Layer "Direct Connect" (solid, remove dead copper, pour order 2573): 125.001,52.101 125.55,52.65 129.175,52.65 129.725,52.1 129.725,40.81 129.4,40.485 125.3,40.485 125.001,40.784
OBBD on Bottom Layer "Direct Connect" (solid, remove dead copper, pour order 2562): 83.236,52.124 82.71,52.65 79.218,52.65 78.726,52.158 78.726,40.709 78.95,40.485 82.95,40.485 83.236,40.771
OAAD on Bottom Layer "Direct Connect" (solid, remove dead copper, pour order 2554): 73.99,51.99 74.65,52.65 77.875,52.65 78.5,52.025 78.5,40.785 78.2,40.485 74.225,40.485 73.99,40.72
GND on Bottom Layer "DirectConnect" (solid, pour order 2340): 153.236,98.489 149.609,98.489 149.609,100.724 153.236,100.724
GND on Bottom Layer "DirectConnect" (solid, pour order 2338): 131.854,98.641 127.663,98.641 127.663,100.876 131.88,100.876 131.88,98.641
GND on Bottom Layer "DirectConnect" (solid, pour order 2339): 142.066,98.488 138.408,98.488 138.408,100.724 142.066,100.724
GND on Bottom Layer "DirectConnect" (solid, pour order 2336): 161.807,125.123 159.496,125.123 159.496,119.112 161.807,119.112
VPWR_IN on Mid1 "DirectConnect" (solid, remove dead copper, pour order 2686): 159.249,74.289 163.627,78.667 163.627,83.58 161.527,83.58 160.002,85.106 160.002,87.008 159.189,87.82 155.92,87.82 154.811,86.711 154.811,84.987 154.613,84.789 152.235,84.789 151.621,84.175 151.621,76.389 153.721,74.289
no net on Mid1 "DirectConnect" (solid, remove dead copper, pour order 2682): 166.797,80.747 168.243,82.194 172.285,82.194 174.781,79.697 179.061,79.697 180.071,78.687 180.071,72.981 178.883,71.792 173.078,71.792 170.819,74.051 167.312,74.051 166.797,74.566
no net on Mid1 "NetF1_1 Fuse Top Pour" (solid, remove dead copper, pour order 2680): 162.855,93.645 162.855,90.257 163.984,89.128 180.309,89.128 181.577,90.396 181.577,95.725 180.765,96.537 164.241,96.537 162.874,95.17
VBED_IN on Mid1 "DirectConnect" (solid, remove dead copper, pour order 2674): 18 vertices, not listed, extent 155.584,100.123 180.289,112.724
no net on Mid1 "DirectConnect" (solid, pour order 2352): 154.587,98.209 148.009,98.209 148.009,99.708 144.808,99.708 144.808,92.037 147.593,92.037 147.593,88.084 154.587,88.084
no net on Mid1 "DirectConnect" (solid, pour order 2351): 143.437,98.209 133.582,98.209 133.582,91.884 136.568,91.884 136.568,87.909 143.437,87.909 143.437,98.234
no net on Mid1 "DirectConnect" (solid, pour order 2350): 131.854,98.311 122.837,98.311 122.837,92.088 125.868,92.088 125.868,87.934 133.074,87.934 133.074,95.847 131.854,95.847
HTBD-OUT on Mid1 "12milConnect" (solid, remove dead copper, pour order 2688): 172.789,113.635 178.823,113.635 179.768,114.58 179.768,121.273 175.337,125.704 172.818,125.704
GND on Mid1 "DirectConnect" (solid, remove dead copper, pour order 2684): 160.299,82.451 172.761,82.451 175.019,80.193 178.843,80.193 181.3,82.649 181.3,87.919 180.705,88.514 172.84,88.514 160.299,88.514
GND on Mid1 "DirectConnect" (solid, remove dead copper, pour order 2676): 172.463,98.096 172.86,97.7 179.457,97.7 180.091,98.334 180.091,103.782 179.398,104.476 172.84,104.476 172.463,104.099
GND on Mid1 "DirectConnect" (solid, remove dead copper, pour order 2672): 155.623,99.549 155.881,99.806 164.44,99.806 166.896,102.263 170.779,102.263 172.582,104.066 172.82,103.828 172.82,98.677 173.414,98.083 173.414,97.845 172.701,97.132 164.241,97.132 162.815,95.705 159.031,95.705 155.623,99.113
HTBD-OUT on Mid1 "DirectConnect" (solid, pour order 2353): 162.585,125.704 162.585,124.637 162.585,117.4 162.277,116.992 162.277,111.861 173.018,111.861 173.018,125.704 163.22,125.704
OABD on Mid1 "Direct Connect" (solid, remove dead copper, pour order 2499): 52.858,46.772 52.508,47.122 50.683,47.122 50.333,46.772 50.333,42.872 50.608,42.597 52.708,42.597 52.858,42.747
OBAD on Mid1 "Direct Connect" (solid, remove dead copper, pour order 2491): 65.158,46.784 64.808,47.134 62.983,47.134 62.633,46.784 62.633,42.884 62.908,42.609 65.008,42.609 65.158,42.759
OBAD on Mid1 "Direct Connect" (solid, remove dead copper, pour order 2490): 106.708,46.684 106.358,47.034 104.533,47.034 104.183,46.684 104.183,42.784 104.458,42.509 106.558,42.509 106.708,42.659
OABD on Mid1 "Direct Connect" (solid, remove dead copper, pour order 2498): 94.408,46.672 94.058,47.022 92.233,47.022 91.883,46.672 91.883,42.772 92.158,42.497 94.258,42.497 94.408,42.647
OABA on Mid1 "Direct Connect" (solid, remove dead copper, pour order 2503): 11.375,46.747 11.025,47.097 9.2,47.097 8.85,46.747 8.85,42.847 9.125,42.572 11.225,42.572 11.375,42.722
OBAA on Mid1 "Direct Connect" (solid, remove dead copper, pour order 2495): 23.675,46.76 23.325,47.11 21.5,47.11 21.15,46.76 21.15,42.86 21.425,42.585 23.525,42.585 23.675,42.735
OBAH on Mid1 "Direct Connect" (solid, remove dead copper, pour order 2494): 168.85,46.76 168.5,47.11 166.675,47.11 166.325,46.76 166.325,42.86 166.6,42.585 168.7,42.585 168.85,42.735
OABH on Mid1 "Direct Connect" (solid, remove dead copper, pour order 2502): 156.55,46.747 156.2,47.097 154.375,47.097 154.025,46.747 154.025,42.847 154.3,42.572 156.4,42.572 156.55,42.722
OBAG on Mid1 "Direct Connect" (solid, remove dead copper, pour order 2493): 148.2,46.76 147.85,47.11 146.025,47.11 145.675,46.76 145.675,42.86 145.95,42.585 148.05,42.585 148.2,42.735
OABG on Mid1 "Direct Connect" (solid, remove dead copper, pour order 2501): 135.9,46.747 135.55,47.097 133.725,47.097 133.375,46.747 133.375,42.847 133.65,42.572 135.75,42.572 135.9,42.722
OBAF on Mid1 "Direct Connect" (solid, remove dead copper, pour order 2492): 127.55,46.76 127.2,47.11 125.375,47.11 125.025,46.76 125.025,42.86 125.3,42.585 127.4,42.585 127.55,42.735
OABF on Mid1 "Direct Connect" (solid, remove dead copper, pour order 2500): 115.25,46.747 114.9,47.097 113.075,47.097 112.725,46.747 112.725,42.847 113,42.572 115.1,42.572 115.25,42.722
OABD on Mid1 "Direct Connect" (solid, remove dead copper, pour order 2497): 73.7,46.747 73.35,47.097 71.525,47.097 71.175,46.747 71.175,42.847 71.45,42.572 73.55,42.572 73.7,42.722
OBAD on Mid1 "Direct Connect" (solid, remove dead copper, pour order 2489): 86,46.76 85.65,47.11 83.825,47.11 83.475,46.76 83.475,42.86 83.75,42.585 85.85,42.585 86,42.735
OBAB on Mid1 "Direct Connect" (solid, remove dead copper, pour order 2488): 44.45,46.76 44.1,47.11 42.275,47.11 41.925,46.76 41.925,42.86 42.2,42.585 44.3,42.585 44.45,42.735
OABB on Mid1 "Direct Connect" (solid, remove dead copper, pour order 2496): 32.15,46.747 31.8,47.097 29.975,47.097 29.625,46.747 29.625,42.847 29.9,42.572 32,42.572 32.15,42.722
GND on Top GND (split plane): 151 vertices, not listed, extent 0.256,0.256 189.744,139.744
USB_GND on Top GND (split plane): 21.765,116.37 21.765,104.183 20.444,102.861 13.56,95.978 11.756,94.173 2.245,94.173 2.245,110.552 9.572,110.552 9.638,110.561 9.7,110.586 9.753,110.627 12.522,113.396 16.46,117.334 20.801,117.334
no net on Top GND (split plane): 142.167,93.527 137.028,93.527 137.028,98.194 142.167,98.194
no net on Top GND (split plane): 131.41,93.628 126.272,93.628 126.272,98.296 131.41,98.296
no net on Top GND (split plane): 153.343,93.527 148.204,93.527 148.204,98.194 153.343,98.194
OABA on Power Plane (split plane): 41 vertices, not listed, extent 6.755,7.89 16.182,47.131
GND on Power Plane (split plane): 41.996,19.135 36.675,13.814 32.13,18.359 32.13,28.267 41.996,28.267
GND on Power Plane (split plane): 21.221,18.832 16.305,13.916 11.355,18.867 11.355,27.95 21.221,27.95
OBAA on Power Plane (split plane): 50 vertices, not listed, extent 16.389,7.929 25.821,47.131
VMOTA on Power Plane (split plane): 117 vertices, not listed, extent 5.514,28.157 25.821,64.299
OBAB on Power Plane (split plane): 49 vertices, not listed, extent 36.779,7.989 46.596,47.131
OABB on Power Plane (split plane): 43 vertices, not listed, extent 27.53,8.009 36.571,47.131
GND on Power Plane (split plane): 62.704,18.928 57.486,13.71 57.486,13.722 57.479,13.762 57.456,13.796 52.837,18.414 52.837,27.99 62.704,27.99
OABD on Power Plane (split plane): 44 vertices, not listed, extent 69.08,7.969 78.121,47.131
GND on Power Plane (split plane): 83.546,19.329 78.225,14.008 73.68,18.553 73.68,28.208 83.546,28.208
GND on Power Plane (split plane): 273 vertices, not listed, extent 1.526,1.526 188.474,57.373
OABC on Power Plane (split plane): 44 vertices, not listed, extent 48.237,8.009 57.279,47.156
OBAC on Power Plane (split plane): 49 vertices, not listed, extent 57.486,7.935 67.304,47.156
OBAD on Power Plane (split plane): 49 vertices, not listed, extent 78.329,7.969 88.146,47.131
OAAA on Power Plane (split plane): 14.372,47.042 14.372,42.878 14.196,42.701 11.642,42.701 11.642,47.131 14.283,47.131
OBBA on Power Plane (split plane): 20.934,42.435 18.646,42.435 18.204,42.878 18.204,47.042 18.293,47.131 20.934,47.131
OAAB on Power Plane (split plane): 35.147,47.042 35.147,42.878 34.971,42.701 32.417,42.701 32.417,47.131 35.058,47.131
VMOTA on Power Plane (split plane): 113 vertices, not listed, extent 26.15,28.474 46.596,64.299
VDDOUT on Power Plane (split plane): 56 vertices, not listed, extent 38.127,86.136 58.292,112.796
OBBB on Power Plane (split plane): 41.709,42.435 39.421,42.435 38.979,42.878 38.979,47.042 39.068,47.131 41.709,47.131
OAAC on Power Plane (split plane): 55.855,47.066 55.855,42.902 55.678,42.725 53.125,42.725 53.125,47.156 55.766,47.156
OBBC on Power Plane (split plane): 62.417,42.416 60.173,42.416 59.686,42.902 59.686,47.066 59.776,47.156 62.417,47.156
OBBD on Power Plane (split plane): 83.259,42.46 83.267,42.42 83.27,42.416 80.991,42.416 80.529,42.878 80.529,47.042 80.618,47.131 83.259,47.131
OAAD on Power Plane (split plane): 76.697,47.042 76.697,42.878 76.521,42.701 73.967,42.701 73.967,47.131 76.608,47.131
3.3VCC on Power Plane (split plane): 333 vertices, not listed, extent 1.526,57.58 171.664,138.474
3.3VIO on Power Plane (split plane): 136 vertices, not listed, extent 32.585,82.389 61.764,116.234
VMOTA on Power Plane (split plane): 112 vertices, not listed, extent 46.997,28.197 67.304,64.323
VMOTA on Power Plane (split plane): 121 vertices, not listed, extent 67.656,28.415 88.146,64.299
GND on Power Plane (split plane): 104.254,19.11 98.951,13.807 94.387,18.37 94.387,27.93 104.254,27.93
OBAE on Power Plane (split plane): 49 vertices, not listed, extent 99.036,7.89 108.854,47.056
GND on Power Plane (split plane): 125.096,19.051 119.833,13.787 115.23,18.39 115.23,28.049 125.096,28.049
OABF on Power Plane (split plane): 44 vertices, not listed, extent 110.63,7.791 119.671,47.131
OABE on Power Plane (split plane): 41 vertices, not listed, extent 89.787,7.89 98.829,47.056
OBAF on Power Plane (split plane): 49 vertices, not listed, extent 119.879,7.791 129.696,47.131
OABG on Power Plane (split plane): 41 vertices, not listed, extent 131.28,7.989 140.322,47.131
GND on Power Plane (split plane): 145.747,19.18 140.425,13.859 135.88,18.404 135.88,27.891 145.747,27.891
OBAG on Power Plane (split plane): 49 vertices, not listed, extent 140.529,8.028 150.347,47.131
GND on Power Plane (split plane): 166.397,18.996 161.075,13.674 156.53,18.22 156.53,28.148 166.397,28.148
VPWR_IN on Power Plane (split plane): 41 vertices, not listed, extent 122.773,19.957 188.474,138.474
VMOTE on Power Plane (split plane): 114 vertices, not listed, extent 130.039,28.098 150.347,64.299
OABH on Power Plane (split plane): 44 vertices, not listed, extent 151.93,7.949 160.972,47.131
OBAH on Power Plane (split plane): 52 vertices, not listed, extent 161.179,7.989 170.997,47.131
OAAE on Power Plane (split plane): 97.405,46.966 97.405,42.802 97.228,42.625 94.675,42.625 94.675,47.056 97.316,47.056
OBBE on Power Plane (split plane): 103.967,42.317 101.722,42.317 101.236,42.802 101.236,46.966 101.326,47.056 103.967,47.056
OAAF on Power Plane (split plane): 118.247,47.042 118.247,42.878 118.071,42.701 115.517,42.701 115.517,47.131 118.158,47.131